# KiCad board DecentXL-keyboard-vintage.kicad_pcb (continued)
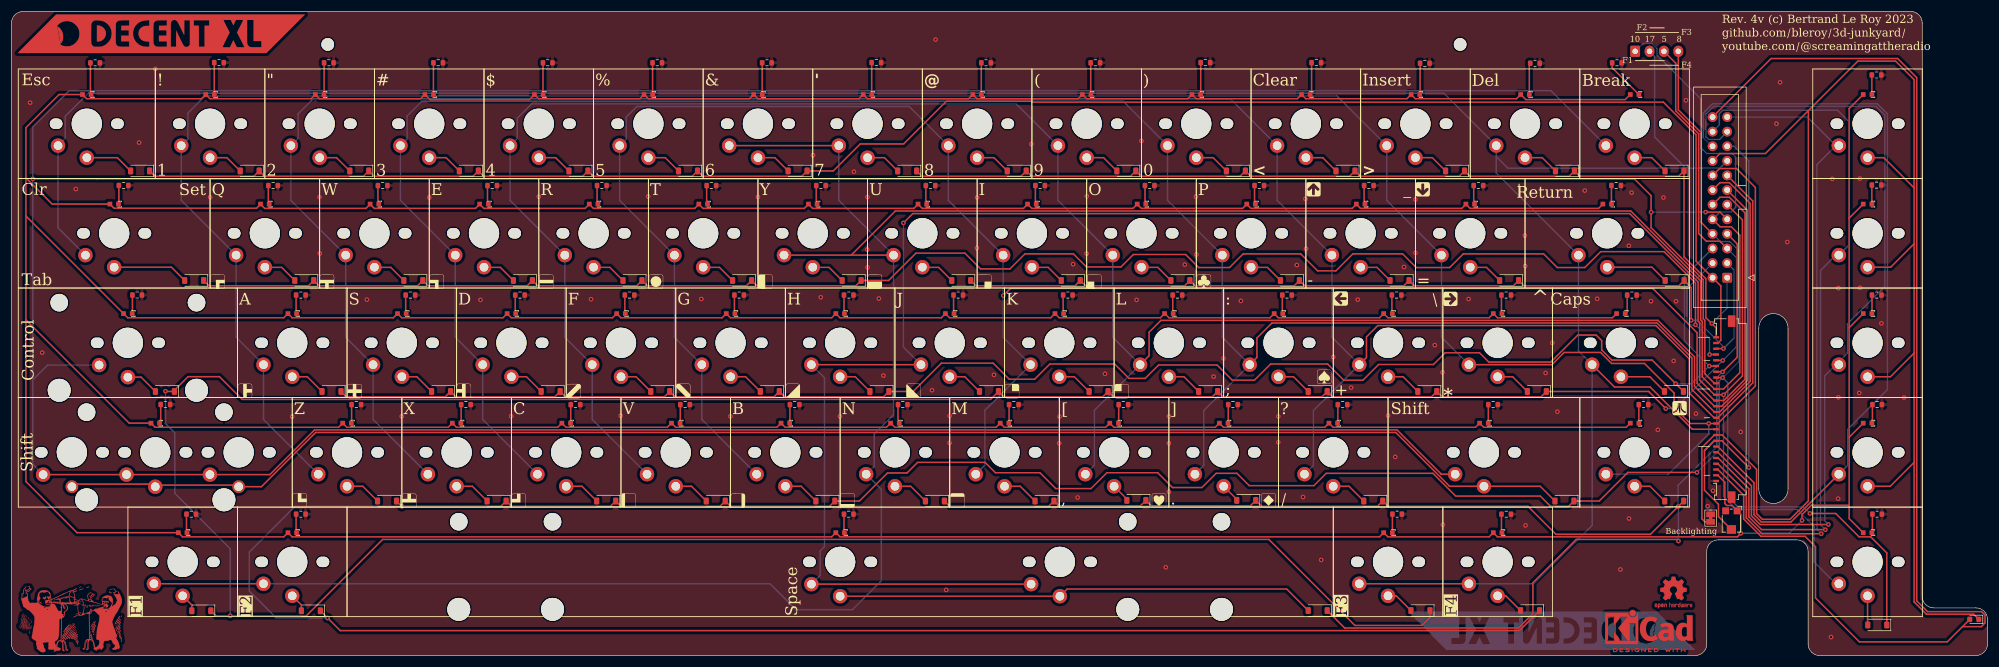
[diagram p0: board, top side]
## Nets (continued)
Net-(R22-Pad1): R22.1 SWK1.3
Net-(R23-Pad1): R23.1 SWG1.3
Net-(R24-Pad1): R24.1 SWM1.3
Net-(R25-Pad1): R25.1 SWB1.3
Net-(R26-Pad1): R26.1 SWOption1.3
Net-(R27-Pad1): R27.1 SW9.3
Net-(R28-Pad1): R28.1 SW4.3
Net-(R29-Pad1): R29.1 SWO1.3
Net-(R30-Pad1): R30.1 SWR1.3
Net-(R31-Pad1): R31.1 SWL1.3
Net-(R32-Pad1): R32.1 SWF1.3
Net-(R33-Pad1): R33.1 SWComma1.3
Net-(R34-Pad1): R34.1 SWV1.3
Net-(R35-Pad1): R35.1 SWReset1.3
Net-(R36-Pad1): R36.1 SW0.3
Net-(R37-Pad1): R37.1 SW3.3
Net-(R38-Pad1): R38.1 SWP1.3
Net-(R39-Pad1): R39.1 SWE1.3
Net-(R40-Pad1): R40.1 SWSemi1.3
Net-(R41-Pad1): R41.1 SWD1.3
Net-(R42-Pad1): R42.1 SWPeriod1.3
Net-(R43-Pad1): R43.1 SWC1.3
Net-(R44-Pad1): R44.1 SWLT1.3
Net-(R45-Pad1): R45.1 SW2.3
Net-(R46-Pad1): R46.1 SWDash1.3
Net-(R47-Pad1): R47.1 SWW1.3
Net-(R48-Pad1): R48.1 SWPlus1.3
Net-(R49-Pad1): R49.1 SWS1.3
Net-(R50-Pad1): R50.1 SWSlash1.3
Net-(R51-Pad1): R51.1 SWX1.3
Net-(R52-Pad1): R52.1 SWGT1.3
Net-(R53-Pad1): R53.1 SW1.3
Net-(R54-Pad1): R54.1 SWEqual1.3
Net-(R55-Pad1): R55.1 SWQ1.3
Net-(R56-Pad1): R56.1 SWStar1.3
Net-(R57-Pad1): R57.1 SWA1.3
Net-(R58-Pad1): R58.1 SWInv1.3
Net-(R59-Pad1): R59.1 SWZ1.3
Net-(R60-Pad1): R60.1 SWDel1.3
Net-(R61-Pad1): R61.1 SWEsc1.3
Net-(R62-Pad1): R62.1 SWRet1.3
Net-(R63-Pad1): R63.1 SWTab1.3
Net-(R64-Pad1): R64.1 SWFn3.3
Net-(R65-Pad1): R65.1 SWCps1.3
Net-(R66-Pad1): R66.1 SWFn4.3

Pads without a net: J2 MP; RV1 3

## Via types
v1: diameter 0.8, hole 0.4, Top to Bottom, 144 vias

## Routing (per net, layer and track width the routed paths; a pad name or vN(x,y) marks a point on that pad's centre or on a via; arc(x,y) is an arc through that point)
GND: length 299.6
  Top w0.25: SWStart1.2 326.61,29.43 330.76,33.58 ; 330.76,81.32 325.5,86.58 SWReset1.2 ; 330.76,81.32 330.76,100.15 327.54,103.37 320.98,103.37 312.34,94.73 ; 330.76,81.32 330.76,71.6 ; 312.34,94.73 304.91,87.3 297,87.3 J1.18 ; 312.34,94.73 312.38,94.69 312.38,26.87 309.18,23.68 304.37,23.68 303.38,24.68 303.38,32.36 297.39,38.35 J2.18 ; 330.76,71.6 326.69,67.53 SWOption1.2 ; 330.76,71.6 330.76,52.59 ; 296.04,38.35 293.86,36.17 293.86,23.78 294.39,23.25 JP1.1 ; 330.76,52.59 326.65,48.48 SWSelect1.2 ; 330.76,52.59 330.76,33.58 ; 330.76,33.58 330.76,9.32 332.9,7.18 341.11,7.18 D47.1
VCC_LED: length 1647.4
  Top w0.25: 2.51,76.43 SWCtl1.4 20.21,58.73 47.33,58.73 SWA1.4 48.78,58.73 66.38,58.73 SWS1.4 67.83,58.73 85.43,58.73 SWD1.4 86.88,58.73 104.48,58.73 SWF1.4 105.93,58.73 123.53,58.73 SWG1.4 124.98,58.73 142.58,58.73 SWH1.4 144.03,58.73 161.63,58.73 SWJ1.4 163.08,58.73 180.68,58.73 SWK1.4 182.13,58.73 199.73,58.73 SWL1.4 ; 2.51,76.43 2.51,83.06 ; 2.51,76.43 2.51,58.36 ; SWBrk1.4 280.54,96.68 263.25,96.68 SWDel1.4 261.64,96.84 244.04,96.84 SWGT1.4 242.59,96.84 224.99,96.84 SWLT1.4 223.54,96.84 205.94,96.84 SW0.4 204.49,96.84 186.89,96.84 SW9.4 185.44,96.84 167.84,96.84 SW8.4 166.39,96.84 148.79,96.84 SW7.4 147.34,96.84 129.74,96.84 SW6.4 128.29,96.84 110.69,96.84 SW5.4 109.24,96.84 91.64,96.84 SW4.4 90,96.64 72.79,96.64 SW3.4 71.14,96.84 53.54,96.84 SW2.4 52.09,96.84 34.49,96.84 SW1.4 33.04,96.84 13.06,96.84 SWEsc1.4 8.27,97.56 2.51,91.8 2.51,83.06 ; SWInv1.4 280.69,39.69 255.95,39.69 SWRightSft1.4 254.5,39.69 229.76,39.69 SWSlash1.4 228.31,39.69 210.71,39.69 SWPeriod1.4 209.26,39.69 191.66,39.69 SWComma1.4 190.21,39.69 172.61,39.69 SWM1.4 171.16,39.69 153.56,39.69 SWN1.4 152.11,39.69 134.51,39.69 SWB1.4 133.06,39.69 115.46,39.69 SWV1.4 114.01,39.69 96.41,39.69 SWC1.4 94.96,39.69 77.36,39.69 SWX1.4 75.91,39.69 58.31,39.69 SWZ1.4 56.86,39.69 24.97,39.69 SWLeftSft1.4 20.46,40.41 2.51,58.36 ; 319.47,26.14 319.47,37.96 ; 319.47,26.14 319.47,23.81 SWHlp1.4 ; 319.47,26.14 312.91,26.14 311.28,24.5 v1(311.28,23.5) ; 319.47,37.96 319.47,57.01 ; 319.47,37.96 SWStart1.4 ; 319.47,76.06 319.47,95.11 SWReset1.4 ; 319.47,76.06 SWOption1.4 ; 319.47,76.06 319.47,57.01 ; SWCps1.4 278.31,58.73 258.33,58.73 SWStar1.4 256.88,58.73 239.28,58.73 SWPlus1.4 237.83,58.73 220.23,58.73 SWSemi1.4 218.78,58.73 201.23,58.73 200.51,59.46 ; 2.51,83.06 7.06,78.51 SWTab1.4 17.82,77.78 42.6,77.78 43.29,78.48 44.02,77.75 61.62,77.75 62.34,78.48 63.07,77.75 80.67,77.75 81.39,78.48 82.12,77.75 99.72,77.75 100.44,78.48 101.17,77.75 118.77,77.75 119.49,78.48 120.22,77.75 137.82,77.75 138.54,78.48 139.27,77.75 156.87,77.75 157.59,78.48 158.32,77.75 175.92,77.75 176.64,78.48 177.37,77.75 194.97,77.75 195.69,78.48 196.42,77.75 214.02,77.75 214.74,78.48 215.47,77.75 233.07,77.75 233.79,78.48 234.52,77.75 252.12,77.75 252.84,78.48 253.57,77.75 275.9,77.75 SWRet1.4 ; 2.51,58.36 2.51,30.24 11.39,21.36 SWFn1.4 29.73,20.64 47.33,20.64 SWFn2.4 48.78,20.64 142.58,20.64 SWSpc1.4 144.03,20.64 237.83,20.64 SWFn3.4 239.28,20.64 256.88,20.64 SWFn4.4 258.33,20.64 300.03,20.64 300.64,21.25 300.64,24.52 RV1.1 299.07,26.08 298.2,26.08 297.86,26.43 297.86,30.13 296.64,31.35 ; 319.47,57.01 SWSelect1.4
  Bottom w0.25: v1(300.63,21.26) 309.03,21.26 v1(311.28,23.5)
COL_1: length 507.4
  Top w0.25: 145.98,69.63 SWU1.1 ; 145.98,69.63 153.65,77.31 281.5,77.31 293.65,65.15 293.65,58.38 293.93,58.1 293.93,48.46 296.04,46.35 ; 145.98,69.63 SWY1.1 ; J2.10 297.61,46.35 300.46,49.2 300.46,73.08 298.99,74.56 297.03,74.56 J1.10 ; SW6.1 SW7.1 ; SWFn1.1 SWFn2.1
  Bottom w0.25: J1.10 296.99,77.13 298.91,77.13 299.73,77.95 299.73,86.69 299.12,87.3 294.71,87.3 293.64,88.37 293.64,96.84 286.04,104.44 286.04,105.59 285.19,106.44 283.63,106.44 J3.1 ; SWFn2.1 131.85,12.48 136.35,7.98 146.21,7.98 151.22,12.99 151.22,28.89 SWN1.1 149.99,32.94 149.99,38.52 153.34,41.88 SWU1.1 143.82,79.16 SW7.1
COL_2: length 371.7
  Top w0.25: SWSpc1.1 SWSpc1.1 ; v1(155.06,75.23) 156.68,76.85 281.31,76.85 293.2,64.97 293.2,58.17 293.48,57.9 293.48,47.91 296.04,45.35 ; SWH1.1 SWJ1.1 ; J1.11 300.91,75.76 300.91,48.62 v1(297.63,45.33) 297.61,45.35 J2.11
  Bottom w0.25: 317.17,12.48 313.39,16.25 313.39,22.41 310.41,25.4 299.9,25.4 297.63,27.67 v1(297.63,45.33) ; SWSpc1.1 140.57,13.92 140.57,18.16 141.34,18.93 141.34,48.3 SWH1.1 ; v1(155.06,75.23) 155.06,53.63 SWJ1.1
COL_3: length 379.2
  Top w0.25: v1(172.43,62.6) 173.67,63.84 285.31,63.84 293.03,56.13 293.03,47.36 296.04,44.35 ; J2.12 297.67,44.35 301.36,48.04 301.36,76.97 298.64,79.69 297.01,79.69 J1.12
  Bottom w0.25: SWM1.1 169.22,33.12 169.22,42.64 SWK1.1 172.39,55.34 SWI1.1 162.87,79.16 SW8.1 156.07,95.48 108.7,95.48 106.86,93.65 106.86,89.83 SW5.1 105.72,79.16 SWT1.1 115.24,55.34 SWG1.1 120.01,41.06 SWB1.1
COL_4: length 393.9
  Top w0.25: J2.13 297.31,43.35 301.81,47.85 301.81,77.4 J1.13 ; 296.04,43.35 292.58,46.81 292.58,51.94 286.24,58.28 199.82,58.28 197.77,56.23 197.77,52.14 SWL1.1
  Bottom w0.25: SWComma1.1 188.26,33.11 188.26,42.63 SWL1.1 191.44,55.34 SWO1.1 181.92,79.16 SW9.1 174.67,95.93 90.41,95.93 87.92,93.44 87.92,89.93 SW4.1 86.67,79.16 SWR1.1 96.19,55.34 SWF1.1 100.96,41.06 SWV1.1
COL_5: length 419.1
  Top w0.25: 296.04,42.35 292.13,46.26 292.13,51.76 286.05,57.83 219.13,57.83 216.51,55.21 216.51,51.83 SWSemi1.1 ; J1.14 297.01,82.23 298.64,82.23 302.26,78.61 302.26,47.67 296.94,42.35 J2.14
  Bottom w0.25: SWPeriod1.1 207.26,33.06 207.26,42.58 SWSemi1.1 210.49,55.34 SWP1.1 200.97,79.16 SW0.1 193.27,96.38 71.33,96.38 68.76,93.81 68.76,89.83 SW3.1 67.62,79.16 SWE1.1 77.14,55.34 SWD1.1 81.91,41.06 SWC1.1
COL_6: length 437.9
  Top w0.25: J1.15 302.71,79.04 302.71,47.42 296.64,41.35 ; SWPlus1.1 235.56,51.83 235.56,55.42 237.52,57.38 285.87,57.38 291.68,51.57 291.68,45.66 295.99,41.35
  Bottom w0.25: SWSlash1.1 226.34,33.09 226.34,42.61 SWPlus1.1 229.54,55.34 SWDash1.1 220.02,79.16 SWLT1.1 211.87,96.83 52.47,96.83 49.82,94.18 49.82,89.93 SW2.1 48.57,79.16 SWW1.1 58.09,55.34 SWS1.1 62.86,41.06 SWX1.1
COL_7: length 456.5
  Top w0.25: 296.64,40.35 303.16,46.87 303.16,81.39 299.87,84.69 296.93,84.69 J1.16 ; SWStar1.1 267.8,50.58 269.92,52.7 276.26,52.7 278.17,50.79 283.89,50.79 289.03,45.65 289.03,43.17 291.85,40.35 v1(295.05,40.35) J2.16
  Bottom w0.25: SWZ1.1 43.81,41.06 SWA1.1 39.04,55.34 SWQ1.1 29.52,79.16 SW1.1 30.66,89.83 30.66,94.33 33.67,97.33 230.42,97.33 SWGT1.1 239.07,79.16 SWEqual1.1 248.59,55.34 SWStar1.1 ; SWInv1.1 288.05,31.53 295.05,38.54 v1(295.05,40.35)
COL_8: length 489.3
  Top w0.25: J2.17 292.21,39.35 284.87,46.69 278.68,46.69 SWCps1.1 ; SWFn3.1 SWFn4.1
  Bottom w0.25: 258.12,86.77 258.12,83.92 SWRet1.1 272.41,52.96 SWCps1.1 274.79,22.64 264.63,12.48 SWFn4.1 ; 258.12,86.77 SWDel1.1 249.02,97.78 13.34,97.78 9.34,93.78 9.34,89.93 SWEsc1.1 8.09,74.39 SWTab1.1 ; 258.12,86.77 260.14,84.75 291.19,84.75 ; 291.19,84.75 296.99,84.75 J1.17 ; 291.19,84.75 291.07,84.75 285.65,90.17 285.65,104.19 J3.2
COL_9: length 939.3
  Top w0.25: 296.04,47.35 294.38,49.01 294.38,58.3 294.1,58.58 294.1,65.34 285.04,74.41 285.04,79.97 282.1,82.91 282.09,82.9 14.8,82.9 14.79,82.9 v1(3.7,82.9) ; SWLeftSft1.1 SWLeftSft1.1 SWLeftSft1.1 44.91,31.46 52.68,39.23 240.87,39.23 248.53,31.57 248.53,31.53 SWRightSft1.1 ; v1(294.52,77.11) 297,77.11 297.01,77.12 J1.9
  Bottom w0.25: v1(285.04,77.1) 294.51,77.1 v1(294.52,77.11) ; 3.69,47.93 3.69,91.9 10.02,98.23 267.62,98.23 SWBrk1.1 ; 3.69,47.93 6.27,50.51 SWCtl1.1 ; 3.69,47.93 3.69,33.27 SWLeftSft1.1
LED_GND:
  vias: v1(3.24,96.14) v1(5.33,52.67) v1(11.19,81.12) v1(22.18,89.2) v1(25.01,102.02) v1(34.52,79.68) v1(48.8,41.56) v1(53.55,79.73) v1(53.59,69.94) v1(61.78,61.89) v1(67.83,41.6) v1(72.62,79.65) v1(81.53,61.85) v1(86.87,41.63) v1(91.67,79.8) v1(100.75,61.96) v1(105.91,41.71) v1(110.69,79.85) v1(119.93,62) v1(124.98,41.6) v1(129.77,79.75) v1(139.34,87.01) v1(140.69,62.3) v1(144.02,41.6) v1(146.46,84.15) v1(148.77,70.6) v1(148.81,79.73) v1(148.82,67.49) v1(150.79,62.08) v1(151.58,48.68) v1(160.03,46.14) v1(160.65,107.12) v1(162.5,11.41) v1(163.09,41.67) v1(163.08,36.98) v1(167.86,79.65) v1(167.84,70.86) v1(170.8,48.8) v1(177.31,88.95) v1(182.19,41.55) v1(182.14,36.91) v1(184.56,68.06) v1(185.34,27.48) v1(186.94,79.88) v1(186.91,69.9) v1(190.1,48.98) v1(195.59,61.85) v1(196.44,89.5) v1(200.67,15.35) v1(201.21,41.6) v1(201.21,36.91) v1(201.21,28.46) v1(203.97,67.98) v1(205.91,79.8) v1(205.99,69.73) v1(208.99,48.5) v1(210.69,51.68) v1(213.73,61.67) v1(220.23,41.6) v1(220.23,37.08) v1(223.46,67.91) v1(224.53,27.56) v1(224.94,79.4) v1(225.06,70.74) v1(227.68,16.62) v1(229.77,51.91) v1(232.89,46.59) v1(234.04,61.89) v1(239.31,41.72) v1(240.56,34.54) v1(242.09,67.57) v1(244.06,79.3) v1(244.07,70.02) v1(247.44,53.98) v1(248.78,49.24) v1(248.84,22.75) v1(253.3,62) v1(263.09,73.03) v1(263.15,67.72) v1(263.22,22.63) v1(266.69,49.13) v1(267.86,54.37) v1(268.74,42.4) v1(273.5,80.85) v1(275.66,62.04) v1(279.69,14.97) v1(281.17,71.26) v1(281.2,23.81) v1(281.65,80.49) v1(285.01,61.63) v1(286.21,39.25) v1(287.19,79.65) v1(288.96,51.23) v1(289.38,61.61) v1(291.1,96.55) v1(292.84,42.07) v1(294.87,25.97) v1(295.8,28.65) v1(300.62,38.88) v1(306.83,92.48) v1(307.46,99.68) v1(308.72,71.91) v1(316.32,3.21) v1(316.54,82.89) v1(317.56,27.28) v1(317.6,63.89) v1(317.6,44.9) v1(321.22,45.66) v1(321.33,82.95) v1(321.37,63.96) v1(325.07,57.77) v1(329.01,44.86)
OPTION: length 126.5
  Top w0.25: 314.81,21.89 304.25,21.89 302.03,24.12 302.03,29.02 296.7,34.35
  Bottom w0.25: SWOption1.1 319.43,71.39 319.43,92.85 317.46,94.82 297.48,94.82 296.9,94.24 296.9,92.28 J1.22 ; 317.17,69.63 314.49,66.95 314.49,22.73 315.33,21.9 v1(315.33,21.88)
POWER: length 86.2
  Top w0.25: 296.04,37.35 294.31,35.62 294.31,28.73 296.75,26.3 296.75,24.16 RV1.2 ; v1(302.02,32.69) 297.36,37.35 J2.19 ; 294.31,35.67 295.99,37.35
  Bottom w0.25: v1(302.02,32.69) 302.02,86.02 299.47,88.57 J1.19
PWR_LED: length 216
  Top w0.25: D47.2 339.17,5.02 ; 339.17,5.02 342.45,5.02 343.08,5.65 343.08,7.05 342.5,7.63 333.08,7.63 331.21,9.51 331.21,100.51 327.9,103.82 305.9,103.82 J1.24 ; 339.17,5.02 336.52,2.37 321.26,2.37 313.62,10.01 313.62,18.91 311.8,20.73 304.14,20.73 301.13,23.74 301.13,27.86 296.64,32.35
RESET: length 115.3
  Top w0.25: 314.11,21.18 304.33,21.18 301.58,23.93 301.58,28.41 296.64,33.35
  Bottom w0.25: v1(314.62,21.17) 313.87,21.92 313.87,85.38 317.17,88.68 312.2,93.65 J1.23
ROW_1: length 179.1
  Top w0.25: D5.1 158.28,83.34 175.48,83.34 D15.1 177.33,83.34 194.53,83.34 D23.1 196.38,83.34 213.58,83.34 D31.1 215.43,83.34 232.63,83.34 D39.1 234.48,83.34 251.68,83.34 D48.1 253.53,83.34 270.79,83.34 D56.1 272.63,83.35 289.83,83.35 D1.1 290.76,69.32 294.55,65.52 294.55,58.76 296.34,56.98 J2.1
  Bottom w0.25: J1.1 298.27,60.42 v1(295.6,57.75)
ROW_2: length 319.1
  Top w0.25: 296.68,54.35 297.16,54.83 297.16,64.27 J1.2 292.86,68.57 292.86,90.54 287.17,96.23 177.41,96.23 177.26,96.38 162.52,96.38 155.1,88.97 147.56,88.97 142.86,84.27 D6.1 137.38,83.34 120.18,83.34 D16.1 118.33,83.34 101.13,83.34 D24.1 99.28,83.34 82.08,83.34 D32.1 80.23,83.34 63.03,83.34 D40.1 61.18,83.34 43.98,83.34 D49.1 42.13,83.34 24.93,83.34 D57.1
ROW_3: length 161.2
  Top w0.25: v1(292.01,58.29) 292.01,64 D58.1 289.86,64.3 262.93,64.3 D50.1 261.08,64.3 243.88,64.3 D41.1 242.03,64.3 224.83,64.3 D33.1 222.98,64.3 205.78,64.3 D25.1 203.93,64.3 186.73,64.3 D17.1 184.88,64.3 167.68,64.3 D7.1 ; v1(297.62,53.38) 296.37,53.38
  Bottom w0.25: v1(292.01,58.29) 293.01,58.29 297.62,53.68 v1(297.62,53.38) 299.44,55.2 299.44,67.07 J1.3
ROW_4: length 309
  Top w0.25: v1(292.75,57.52) 292.75,64.78 287.29,70.24 276.28,70.24 273.51,67.47 268.73,67.47 266.35,69.85 252.39,69.85 250.01,67.47 244.21,67.47 241.83,69.85 233.19,69.85 230.24,66.9 227.07,66.9 224.12,69.85 214.12,69.85 211.74,67.47 206.39,67.47 204.12,69.74 195.04,69.74 192.88,67.58 186.87,67.58 184.6,69.85 176.19,69.85 173.58,67.24 168.47,67.24 165.74,69.97 157.23,69.97 152.48,65.22 D8.1 146.78,64.3 129.58,64.3 D18.1 127.73,64.3 110.53,64.3 D26.1 108.68,64.3 91.48,64.3 D34.1 89.63,64.3 72.43,64.3 D42.1 70.58,64.3 53.47,64.3 D51.1 51.62,64.3 34.33,64.3 D59.1 ; v1(295.21,52.34) 296.33,52.34
  Bottom w0.25: J1.4 291.28,63.8 291.28,57.99 291.75,57.52 v1(292.75,57.52) 295.21,55.06 v1(295.21,52.34)
ROW_5: length 614.5
  Top w0.25: v1(26.77,45.97) 26.82,45.92 D2.1 ; J3.3 289.31,103.03 289.31,94.72 293.32,90.72 293.31,90.71 293.31,73.38 294.64,72.05 297,72.05 J1.5 ; D60.1 246.59,6.6 245.22,5.23 233.54,5.23 218.58,20.19 64.53,20.19 51.2,6.85 35.57,6.85 D9.1 ; v1(297.51,51.32) 296.37,51.32 ; v1(287.59,42.94) 284.62,45.92 D52.1 265.91,44.99 248.71,44.99 D43.1 246.86,44.99 229.66,44.99 D35.1 227.81,44.99 210.61,44.99 D27.1 208.76,44.99 191.56,44.99 D19.1 189.71,44.99 172.51,44.99 D12.1 170.21,44.54 40.1,44.54 36.14,48.49 30.69,48.49 28.33,46.13
  Bottom w0.25: J1.5 299.89,69.16 299.89,53.7 v1(297.51,51.32) 289.13,42.94 v1(287.59,42.94) ; v1(38.03,6.91) 38.03,18.57 28.39,28.21 28.39,38.7 26.77,40.32 v1(26.77,45.97)
ROW_6: length 289.1
  Top w0.25: D61.1 289.34,47.26 v1(289.3,47.26) 289.3,47.3 285.22,51.38 278.21,51.38 276.44,53.15 276.44,54.77 275.49,55.72 272.29,55.72 267.6,51.03 256.82,51.03 255.2,52.65 249.24,52.65 247.2,50.61 237.67,50.61 234.94,47.88 231.61,47.88 228.8,50.69 218.89,50.69 216.08,47.88 212.23,47.88 209.58,50.53 199.43,50.53 197.09,48.19 194.28,48.19 191.78,50.69 180.51,50.69 177.86,48.04 173.46,48.04 170.66,50.84 161.66,50.84 156.73,45.92 D13.1 151.61,44.99 134.41,44.99 D20.1 132.56,44.99 115.36,44.99 D28.1 113.51,44.99 96.31,44.99 D36.1 94.46,44.99 77.26,44.99 D44.1 75.41,44.99 58.21,44.99 D53.1 ; v1(295.15,50.34) 296.33,50.34
  Bottom w0.25: v1(289.3,47.26) 292.07,47.26 v1(295.15,50.34) 290.83,54.66 290.83,65.89 J1.6
ROW_7: length 267.9
  Top w0.25: v1(289.79,19.91) 289.51,20.19 272.02,20.19 264.49,12.65 264.49,7.3 261.97,4.78 231.77,4.78 D14.1 ; D10.1 163.11,25.94 180.31,25.94 D21.1 182.05,26.05 196.28,26.05 D29.1 198.13,26.05 215.38,26.05 D37.1 217.34,25.94 237.46,25.94 D45.1 239.31,25.94 263.63,25.94 268.48,21.08 284.93,21.08 D54.1 ; J1.7 300.01,71.58 300.01,51.88 v1(297.47,49.33) 297.45,49.35 J2.7
  Bottom w0.25: v1(289.79,19.91) 289.79,25.84 v1(289.73,25.9) 289.73,29.59 296.45,36.31 296.45,48.34 297.44,49.33 v1(297.47,49.33)
ROW_8: length 658.7
  Top w0.25: D62.1 262.16,4.33 57.15,4.33 D11.1 ; D55.1 v1(67.86,25.94) 85.06,25.94 D46.1 86.91,25.94 104.11,25.94 D38.1 105.96,25.94 123.16,25.94 D30.1 125.01,25.94 142.21,25.94 D22.1 147.4,26.87 152.29,31.75 155.69,31.75 157.53,33.59 169.25,33.59 171.05,31.79 178.78,31.79 181.54,29.03 187.67,29.03 190.43,31.79 199.25,31.79 201.83,29.21 206.95,29.21 209.42,31.68 213.04,31.68 215.18,29.54 226.42,29.54 228.56,31.68 247.11,31.68 251.07,27.72 265.77,27.72 267.55,25.94 270.7,25.94 D3.1 276.01,26.87 280.99,31.84 v1(293.01,31.84) ; v1(312.65,24.71) 312.66,24.7 317.13,24.7 321.19,20.64 323.22,20.64 326.01,17.85 D4.1 ; J3.4 289.76,94.91 293.77,90.91 293.77,75.28 J1.8 ; v1(297.47,48.33) 296.36,48.33
  Bottom w0.25: v1(297.47,48.33) 298.35,47.44 298.35,27.58 300.09,25.85 311.51,25.85 v1(312.65,24.71) ; v1(297.47,48.33) 297.5,48.33 300.34,51.17 300.34,70.37 298.72,71.99 297.06,71.99 J1.8 ; v1(297.47,48.33) 296.9,47.77 296.9,35.73 v1(293.01,31.84) ; v1(54.94,6.52) 46.04,6.52 41.34,11.22 41.34,17.99 49.29,25.94 v1(67.86,25.94)
SELECT: length 143.4
  Top w0.25: 296.64,35.35 302.48,29.51 302.48,24.3 304,22.78 315.35,22.78
  Bottom w0.25: J1.21 296.9,89.74 295.06,89.74 294.55,90.25 294.55,94.13 295.92,95.5 324.16,95.5 325.67,93.99 325.67,64.17 319.17,57.67 319.17,52.58 315.22,48.63 315.22,23.44 315.85,22.81 v1(315.85,22.78)
START: length 139.1
  Top w0.25: SWStart1.1 309.37,23.23 304.19,23.23 302.93,24.49 302.93,30.06 296.64,36.35
  Bottom w0.25: SWStart1.1 319.22,33.08 319.22,39.34 326.12,46.24 326.12,94.18 324.34,95.95 295.73,95.95 294.1,94.32 294.1,90.06 295.6,88.57
Net-(D1-A): length 6.2
  Top w0.25: D1.2 285.16,86.58 SWBrk1.2
Net-(D2-A): length 5.8
  Top w0.25: SWCtl1.2 22.53,48.41 D2.2
Net-(D3-A): length 265.3
  Top w0.25: 25.26,29.63 39.22,29.63 ; 10.93,29.8 24.55,29.8 ; D3.2 265.76,29.43 SWRightSft1.2 250,29.43 240.64,38.78 52.87,38.78 43.44,29.36 SWLeftSft1.2
Net-(D4-A): length 5
  Top w0.25: SWHlp1.2 322.67,5.35
Net-(D5-A): length 6.2
  Top w0.25: SW7.2 151.75,86.58 D5.2
Net-(D6-A): length 6.2
  Top w0.25: SW6.2 132.7,86.58 D6.2
Net-(D7-A): length 6.1
  Top w0.25: 158.34,67.5 161.18,67.5 D7.2
Net-(D8-A): length 6.1
  Top w0.25: D8.2 142.13,67.5 139.29,67.5
Net-(D9-A): length 3.3
  Top w0.25: SWFn1.2 31.35,8.79 D9.2
Net-(D10-A): length 6.4
  Top w0.25: SWN1.2 156.32,29.43 D10.2
Net-(D11-A): length 3.3
  Top w0.25: SWFn2.2 50.4,8.79 D11.2
Net-(D12-A): length 6.2
  Top w0.25: SWJ1.2 165.72,48.48 D12.2
Net-(D13-A): length 6.2
  Top w0.25: SWH1.2 146.67,48.48 D13.2
Net-(D14-A): length 83.4
  Top w0.25: D14.2 221.69,11.56 183.51,11.56 SWSpc1.2 SWSpc1.2
Net-(D15-A): length 6.2
  Top w0.25: SW8.2 170.8,86.58 D15.2
Net-(D16-A): length 6.2
  Top w0.25: SW5.2 113.65,86.58 D16.2
Net-(D17-A): length 6.1
  Top w0.25: 177.39,67.5 180.23,67.5 D17.2
Net-(D18-A): length 6.1
  Top w0.25: D18.2 123.08,67.5 120.24,67.5
Net-(D19-A): length 6.2
  Top w0.25: SWK1.2 184.77,48.48 D19.2
Net-(D20-A): length 6.2
  Top w0.25: SWG1.2 127.62,48.48 D20.2
Net-(D21-A): length 6.4
  Top w0.25: SWM1.2 175.37,29.43 D21.2
Net-(D22-A): length 6.4
  Top w0.25: D22.2 137.27,29.43 SWB1.2
Net-(D23-A): length 6.2
  Top w0.25: SW9.2 189.85,86.58 D23.2
Net-(D24-A): length 6.2
  Top w0.25: D24.2 94.6,86.58 SW4.2
Net-(D25-A): length 6.1
  Top w0.25: D25.2 199.28,67.5 196.44,67.5
Net-(D26-A): length 6.1
  Top w0.25: 101.19,67.5 104.03,67.5 D26.2
Net-(D27-A): length 6.2
  Top w0.25: SWL1.2 203.82,48.48 D27.2
Net-(D28-A): length 6.2
  Top w0.25: D28.2 108.57,48.48 SWF1.2
Net-(D29-A): length 3.1
  Top w0.25: SWComma1.2 193.9,27.21
Net-(D30-A): length 6.4
  Top w0.25: D30.2 118.22,29.43 SWV1.2
Net-(D31-A): length 6.2
  Top w0.25: SW0.2 208.9,86.58 D31.2
Net-(D32-A): length 6.2
  Top w0.25: SW3.2 75.55,86.58 D32.2
Net-(D33-A): length 6.1
  Top w0.25: 215.49,67.5 218.33,67.5 D33.2
Net-(D34-A): length 6.1
  Top w0.25: D34.2 84.98,67.5 82.14,67.5
Net-(D35-A): length 6.2
  Top w0.25: SWSemi1.2 222.87,48.48 D35.2
Net-(D36-A): length 6.2
  Top w0.25: SWD1.2 89.52,48.48 D36.2
Net-(D37-A): length 3.2
  Top w0.25: SWPeriod1.2 213.01,27.16
Net-(D38-A): length 6.4
  Top w0.25: SWC1.2 99.17,29.43 D38.2
Net-(D39-A): length 6.2
  Top w0.25: SWLT1.2 227.95,86.58 D39.2
Net-(D40-A): length 6.2
  Top w0.25: SW2.2 56.5,86.58 D40.2
Net-(D41-A): length 6.1
  Top w0.25: 234.54,67.5 237.38,67.5 D41.2
Net-(D42-A): length 6.1
  Top w0.25: D42.2 65.93,67.5 63.09,67.5
Net-(D43-A): length 6.2
  Top w0.25: D43.2 241.92,48.48 SWPlus1.2
Net-(D44-A): length 6.2
  Top w0.25: SWS1.2 70.47,48.48 D44.2
Net-(D45-A): length 6.4
  Top w0.25: SWSlash1.2 232.52,29.43 D45.2
Net-(D46-A): length 6.4
  Top w0.25: D46.2 80.12,29.43 SWX1.2
Net-(D48-A): length 6.2
  Top w0.25: D48.2 247,86.58 SWGT1.2
Net-(D49-A): length 6.2
  Top w0.25: D49.2 37.45,86.58 SW1.2
Net-(D50-A): length 6.1
  Top w0.25: D50.2 256.43,67.5 253.59,67.5
Net-(D51-A): length 6.1
  Top w0.25: 44.04,67.5 46.97,67.5 D51.2
Net-(D52-A): length 6.2
  Top w0.25: SWStar1.2 260.97,48.48 D52.2
Net-(D53-A): length 6.2
  Top w0.25: D53.2 51.42,48.48 SWA1.2
Net-(D54-A): length 6.3
  Top w0.25: D54.2 284.84,29.43 SWInv1.2
Net-(D55-A): length 6.4
  Top w0.25: SWZ1.2 61.07,29.43 D55.2
Net-(D56-A): length 6.3
  Top w0.25: D56.2 266.11,86.58 SWDel1.2
Net-(D57-A): length 8.6
  Top w0.25: SWEsc1.2 18.4,86.58 D57.2
Net-(D58-A): length 11
  Top w0.25: D58.2 285.18,67.53 SWRet1.2
Net-(D59-A): length 13.2
  Top w0.25: SWTab1.2 27.8,67.53 D59.2
Net-(D60-A): length 5
  Top w0.25: SWFn3.2 240.73,10.38 D60.2
Net-(D61-A): length 8.6
  Top w0.25: SWCps1.2 284.82,48.48 D61.2
Net-(D62-A): length 5
  Top w0.25: D62.2 259.78,10.38 SWFn4.2
Net-(R1-Pad1): length 7.4
  Top w0.25: SWBrk1.3 278.27,102.2 R1.1
Net-(R2-Pad1): length 3.2
  Top w0.25: R2.1 21.02,59.5
Net-(R3-Pad1): length 3.1
  Top w0.25: R3.1 25.93,40.6
Net-(R4-Pad1): length 3.2
  Top w0.25: R4.1 256.74,40.42
Net-(R5-Pad1): length 3.1
  Top w0.25: R5.1 323.52,21.46
Net-(R6-Pad1): length 5.5
  Top w0.25: R6.1 149.53,97.59
Net-(R7-Pad1): length 5.5
  Top w0.25: 130.5,103.07 130.5,97.58
Net-(R8-Pad1): length 3.1
  Top w0.25: R8.1 158.95,78.63
Net-(R9-Pad1): length 3.1
  Top w0.25: R9.1 139.9,78.63
Net-(R10-Pad1): length 3.1
  Top w0.25: R10.1 30.42,21.44
Net-(R11-Pad1): length 3
  Top w0.25: R11.1 154.12,40.62
Net-(R12-Pad1): length 3.1
  Top w0.25: R12.1 49.47,21.44
Net-(R13-Pad1): length 3.1
  Top w0.25: R13.1 323.52,40.51
Net-(R14-Pad1): length 3.1
  Top w0.25: R14.1 163.77,59.54
Net-(R15-Pad1): length 3.1
  Top w0.25: R15.1 144.72,59.54
Net-(R16-Pad1): length 3.1
  Top w0.25: R16.1 144.72,21.44
Net-(R17-Pad1): length 3.2
  Top w0.25: R17.1 323.43,59.47
Net-(R18-Pad1): length 5.5
  Top w0.25: 168.6,103.07 168.6,97.58
Net-(R19-Pad1): length 5.5
  Top w0.25: 111.45,103.07 111.45,97.58
Net-(R20-Pad1): length 3.1
  Top w0.25: R20.1 178,78.63
Net-(R21-Pad1): length 3.1
  Top w0.25: R21.1 120.85,78.63
Net-(R22-Pad1): length 3.1
  Top w0.25: R22.1 182.82,59.54
Net-(R23-Pad1): length 3.1
  Top w0.25: R23.1 125.67,59.54
Net-(R24-Pad1): length 3.2
  Top w0.25: R24.1 173.43,40.45
Net-(R25-Pad1): length 3.2
  Top w0.25: R25.1 135.33,40.45
Net-(R26-Pad1): length 3.3
  Top w0.25: R26.1 323.41,78.52
Net-(R27-Pad1): length 5.5
  Top w0.25: 187.61,103.07 187.61,97.62
Net-(R28-Pad1): length 5.5
  Top w0.25: 92.4,103.07 92.4,97.58
Net-(R29-Pad1): length 3.1
  Top w0.25: R29.1 197.05,78.63
Net-(R30-Pad1): length 3.1
  Top w0.25: R30.1 101.8,78.63
Net-(R31-Pad1): length 3.1
  Top w0.25: R31.1 201.87,59.54
Net-(R32-Pad1): length 3.1
  Top w0.25: R32.1 106.62,59.54
Net-(R33-Pad1): length 3.2
  Top w0.25: R33.1 192.48,40.45
Net-(R34-Pad1): length 3.2
  Top w0.25: R34.1 116.28,40.45
Net-(R35-Pad1): length 3.4
  Top w0.25: R35.1 323.41,97.56
Net-(R36-Pad1): length 5.5
  Top w0.25: R36.1 206.73,97.58
Net-(R37-Pad1): length 5.5
  Top w0.25: 73.35,103.07 73.35,97.58
Net-(R38-Pad1): length 3.1
  Top w0.25: R38.1 216.1,78.63
Net-(R39-Pad1): length 3.1
  Top w0.25: R39.1 82.75,78.63
Net-(R40-Pad1): length 3.1
  Top w0.25: R40.1 220.92,59.54
Net-(R41-Pad1): length 3.1
  Top w0.25: R41.1 87.57,59.54
Net-(R42-Pad1): length 3.2
  Top w0.25: R42.1 211.53,40.45
Net-(R43-Pad1): length 3.2
  Top w0.25: R43.1 97.23,40.45
Net-(R44-Pad1): length 5.3
  Top w0.25: R44.1 226.01,97.81
Net-(R45-Pad1): length 5.5
  Top w0.25: R45.1 54.34,97.59
Net-(R46-Pad1): length 3.1
  Top w0.25: R46.1 235.15,78.63
Net-(R47-Pad1): length 3.1
  Top w0.25: R47.1 63.7,78.63
Net-(R48-Pad1): length 3.1
  Top w0.25: R48.1 239.97,59.54
Net-(R49-Pad1): length 3.1
  Top w0.25: R49.1 68.52,59.54
Net-(R50-Pad1): length 3.2
  Top w0.25: R50.1 230.58,40.45
Net-(R51-Pad1): length 3.2
  Top w0.25: R51.1 78.18,40.45
Net-(R52-Pad1): length 5.4
  Top w0.25: R52.1 244.87,97.62
Net-(R53-Pad1): length 5.5
  Top w0.25: 35.25,103.07 35.25,97.58
Net-(R54-Pad1): length 3.1
  Top w0.25: R54.1 254.2,78.63
Net-(R55-Pad1): length 3.1
  Top w0.25: R55.1 44.65,78.63
Net-(R56-Pad1): length 3.1
  Top w0.25: R56.1 259.02,59.54
Net-(R57-Pad1): length 3.1
  Top w0.25: R57.1 49.47,59.54
Net-(R58-Pad1): length 3.2
  Top w0.25: R58.1 282.9,40.43
Net-(R59-Pad1): length 3.2
  Top w0.25: R59.1 59.13,40.45
Net-(R60-Pad1): length 5.3
  Top w0.25: 263.87,102.84 SWDel1.3
Net-(R61-Pad1): length 5.4
  Top w0.25: R61.1 13.71,97.68
Net-(R62-Pad1): length 3.2
  Top w0.25: R62.1 278.14,78.52
Net-(R63-Pad1): length 3.2
  Top w0.25: R63.1 18.66,78.57
Net-(R64-Pad1): length 3.2
  Top w0.25: R64.1 240.06,21.37
Net-(R65-Pad1): length 3.4
  Top w0.25: R65.1 280.87,59.8 SWCps1.3
Net-(R66-Pad1): length 3.1
  Top w0.25: R66.1 259.02,21.44

## Copper pours and planes (outline as drawn; the poured copper is in the pictures)
LED_GND on Top, Bottom: -13.74,115.34 345.75,115.34 345.75,-1.5 -13.74,-1.5

## Text on the board
B.Silkscreen: 16 - COL 7 | 17 - COL 8 | 2 - ROW 2 | 4 - ROW 4 | 6 - ROW 6 | 8 - ROW 8 | F1 | F2 | F4 | 22 OPTION | 24 POW LED | 20 START | 18 GND | 16 COL 7 | 14 COL 5 | 12 COL 3 | 10 C1 | R8 | ROW 6 | ROW 4 | ROW 2 | (8,9) | (5,10) | (5,17) | (5,9) | (7,11) | (1,9) | (8,10) | (8,17) | (6,17) | 10 | 17 | 5 | 8 | 3 - ROW 3 | 5 - ROW 5 | 1 - ROW1 | 7 - ROW 7 | F3 | (3,17) | RESET 23 | SELECT 21 | 5V 19 | COL 8 17 | COL 6 15 | COL 4 13 | COL 2 11 | COL 9 9 | ROW 7 | ROW 5 | ROW 3 | ROW 1 | 15 - COL 6 | 14 - COL 5 | 13 - COL 4 | 12 - COL 3 | 11 - COL 2 | 10 - COL 1 | Rev. 4v (c) Bertrand Le Roy 2023 / github.com/bleroy/3d-junkyard/ / atariage.com/forums/profile/76850-screamingattheradio/ / youtube.com/@screamingattheradio | Control | Set | _ | \ | | | ^ | Return | Space | Del | Break | Caps | Clr | Esc | Shift | ! | Q | A | {dblquote} | Z | W | S | # | X | E | D | $ | C | R | F | % | V | T | G | & | B | Y | H | N | U | J | M | I | K | ( | [ | O | L | ) | ] | P | : | Clear | ? | Insert | 1 | 2 | 3 | 4 | 6 | 7 | 9 | 0 | Tab | , | . | ; | / | - | + | = | ' | @ | < | > | *
F.Silkscreen: F3 | F4 | 10 | 17 | 5 | 8 | F1 | F2 | Backlighting | Rev. 4v (c) Bertrand Le Roy 2023 / github.com/bleroy/3d-junkyard/ / youtube.com/@screamingattheradio | Esc | Clr | ! | Q | A | {dblquote} | Z | W | S | # | X | E | D | $ | C | R | F | % | V | T | G | & | B | Y | H | N | U | J | M | I | K | ( | [ | O | L | ) | ] | P | : | Clear | ? | Insert | Shift | 1 | 2 | 3 | 4 | 6 | 7 | 9 | 0 | Del | Break | Tab | , | . | ; | / | - | + | = | Set | _ | \ | | | Return | Caps | Control | Space | ' | @ | < | > | * | ^
